# KiCad board unibone.kicad_pcb (continued)
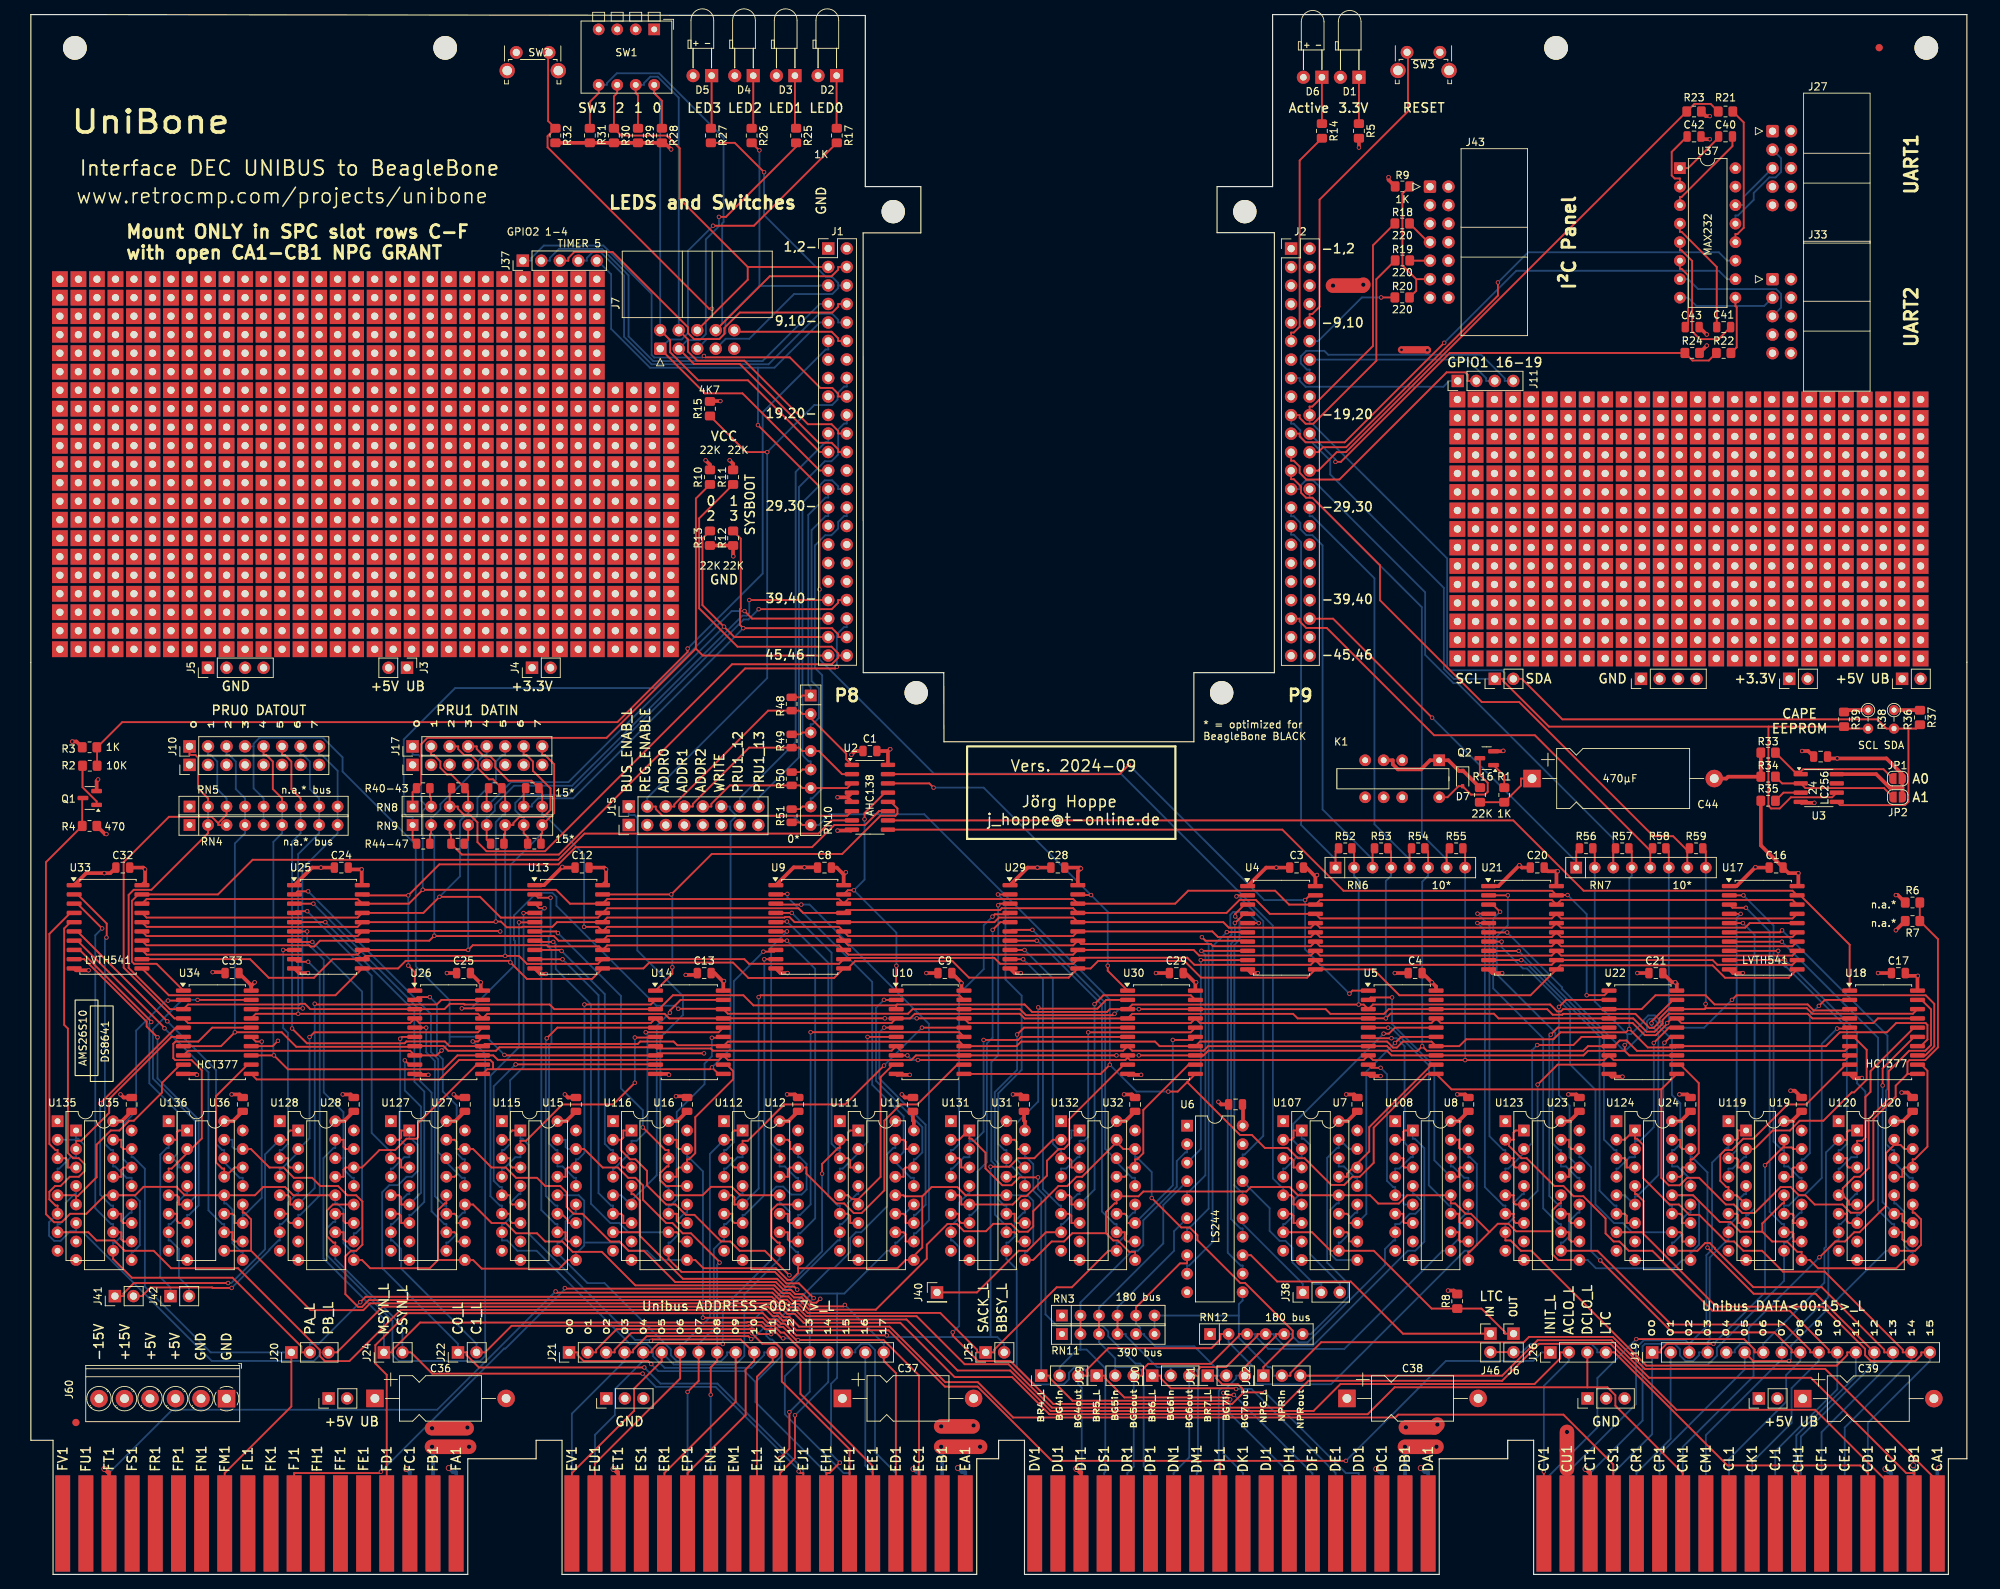
[diagram p0: board, top side]
## Routing (per net, layer and track width the routed paths; a pad name or vN(x,y) marks a point on that pad's centre or on a via; arc(x,y) is an arc through that point) (continued)
SYSRESET_L: length 43
  Top w0.25: J2.10 175.44,173.01 175.8,173.01 176.8,174.01 176.8,188.72 188.93,200.85 188.93,208.82 SW3.1
TIMER5: length 207
  Top w0.25: v1(108.2,135.21) 108.2,149.32 v1(99.75,157.76) ; U7.5 173.23,50.78 173.23,51.76 172.94,52.05 U107.5
  Bottom w0.25: 99.75,165.65 102.01,165.65 108.22,171.86 J1.9 ; 99.75,165.65 v1(99.75,157.76) ; 99.75,165.65 84.94,165.65 79.61,170.98 79.61,178.48 77.75,180.34 J37.5 ; U107.5 171.82,53.17 171.58,53.17 170.4,54.36 170.4,89.05 149.53,109.92 123.89,109.92 108.2,125.62 v1(108.2,135.21)
UART1_RXD: length 77.3
  Top w0.25: J2.26 176.61,151.52 179.15,154.06 180.42,154.06 R23.2 228.22,201.86 230.46,201.86 R21.2
UART1_TXD: length 71.3
  Top w0.25: J2.24 176.61,154.06 177.29,154.73 180.46,154.73 201.27,175.55 v1(201.27,177.34)
  Bottom w0.25: v1(201.27,177.34) 205.42,181.49 231.58,181.49 232.73,180.34 U37.11
UART2_RXD: length 64.6
  Top w0.25: R22.2 230.21,166.64 227.96,166.64 R24.2 194.67,167.67 179.72,152.73 v1(178.98,152.73)
  Bottom w0.25: J2.22 178.98,153.05 v1(178.98,152.73)
UART2_TXD: length 71.9
  Top w0.25: v1(193.9,169.06) 180.25,155.41 174.9,155.41 174.07,156.23 174.07,156.6 J2.21
  Bottom w0.25: U37.10 232.73,177.8 231.58,178.95 203.79,178.95 v1(193.9,169.06)
UB_5V: length 1403.4
  Top w0.5: U31.16 136.38,62.19 136.26,62.32 C30.2 ; R8.1 195.22,38.97 v1(194.42,38.97) ; C6.2 180.69,62.28 180.69,62.21 U107.16 ; C7.2 196.05,62.4 196.05,62.21 U108.16 ; U5.20 192.79,80.69 v1(192.2,81.28) 190.93,82.55 C4.2 ; C35.2 27.78,62.28 27.78,62.21 U136.16 ; U120.16 256.89,62.21 256.89,62.28 C19.2 ; U26.20 61.72,80.39 v1(61.72,81.28) 61.58,81.28 C25.2 ; C9.2 127.67,81.23 v1(127.67,81.18) 127.67,80.48 U10.20 ; v1(30.7,81.28) 30.26,80.84 ; 30.26,80.84 30.23,80.8 U34.20 ; 30.26,80.84 C33.2 ; U132.16 150.21,62.21 150.21,62.28 C31.2 ; U22.20 225.81,81.07 v1(225.6,81.28) 225.16,81.28 C21.2 ; U115.16 73.5,62.21 73.5,62.28 C14.2 ; R16.2 196.51,110.3 D7.1 195.93,110.3 194.47,111.76 K1.1 191.97,111.76 190.72,110.51 187.55,110.51 186.85,111.21 186.85,111.76 K1.4 ; 258.83,82.17 U18.20 ; 258.83,82.17 v1(258.88,82.17) ; 258.83,82.17 257.54,82.17 C17.2 ; C23.2 226.41,62.28 226.41,62.21 U124.16 ; v1(10.37,101.63) 10.16,101.63 R4.1 ; C13.2 93.81,82.55 95,81.36 ; C10.2 121.02,62.32 121.14,62.19 U11.16 ; C34.2 12.54,62.28 12.54,62.21 U135.16 ; v1(159.87,81.28) 159.77,81.18 ; 159.77,81.18 U30.20 ; 159.77,81.18 158.4,82.55 C29.2 ; C22.2 211.17,62.28 211.17,62.21 U123.16 ; C15.2 88.74,62.28 88.74,62.21 U116.16 ; U128.16 43.02,62.21 43.02,62.28 C27.2 ; U119.16 241.77,62.21 241.77,62.4 C18.2 ; v1(95.1,81.46) 95,81.36 ; 95,81.36 U14.20 ; U112.16 103.98,62.21 103.98,62.28 C11.2 ; C5.2 166.3,64.44 166.3,61.66 ; C26.2 58.26,62.28 58.26,62.21 U127.16
  Top w1.5: 166.3,61.66 U6.20
  In2.Cu w0.25: J62.1 237.07,24.29
  In2.Cu w0.4: U36.16 31.54,63.41 40.57,63.41 41.77,62.21 43.04,62.21 U28.16 46.78,63.41 55.81,63.41 57.01,62.21 58.28,62.21 U27.16 62.02,63.41 71.05,63.41 U115.16 72.25,62.21 73.52,62.21 U15.16 77.26,63.41 86.29,63.41 87.49,62.21 88.76,62.21 U16.16 92.5,63.41 101.53,63.41 102.73,62.21 104,62.21 U12.16 107.74,63.41 117.4,63.41 118.6,62.21 119.87,62.21 U11.16 123.61,63.41 132.64,63.41 133.84,62.21 135.11,62.21 U31.16 138.85,63.41 147.75,63.41 148.95,62.21 150.22,62.21 U32.16 153.36,62.8 165.05,62.8 U6.20 168.06,63.41 178.23,63.41 179.43,62.21 180.7,62.21 U7.16 184.44,63.41 193.6,63.41 194.8,62.21 195.94,62.21 U8.16 199.68,63.41 208.71,63.41 209.91,62.21 211.18,62.21 U23.16 214.92,63.41 223.95,63.41 225.15,62.21 226.42,62.21 U24.16 230.16,63.41 239.32,63.41 240.52,62.21 241.66,62.21 U19.16 245.4,63.41 254.43,63.41 255.63,62.21 256.9,62.21 U20.16 263.09,60.94 263.73,61.57 ; U36.16 31.61,58.4 31.61,27.34 ; U36.16 27.8,62.21 26.53,62.21 25.33,63.41 16.3,63.41 U35.16 12.56,62.21 11.29,62.21 U135.16 11.29,79.51 12.62,80.85 ; v1(194.42,38.97) 191.52,38.97 183.06,30.51 180.83,30.58 ; 180.7,30.58 C38.1 ; 180.7,30.58 180.83,30.58 ; 180.7,30.58 180.7,30.59 180.83,30.58 ; 180.7,30.58 164.2,30.58 RN12.1 159.24,30.46 140.83,30.46 138.29,33 ; 138.29,33 127.24,33 127.18,22.22 ; 138.29,33 140.83,35.54 RN3.1
  In2.Cu w0.5: U119.16 240.52,62.21 ; C39.1 243.08,24.15 ; 47.2,24.14 C36.1 ; 225.89,80.77 225.6,81.06 v1(225.6,81.28) ; U15.16 76.04,60.94 76.04,62.16 76.02,62.17 ; U111.16 118.6,62.21 ; 133.84,62.21 U131.16 ; 45.93,24.14 45.93,25.39 45.93,25.4 ; 58.91,61.57 U27.16 ; U127.16 57.01,62.21 ; 87.49,62.21 U116.16 ; U108.16 194.8,62.21 ; 256.23,24.14 256.71,24.14 256.72,24.13 ; U128.16 41.77,62.21 ; U136.16 26.53,62.21 ; 148.96,62.21 U132.16 ; U107.16 179.44,62.21 ; v1(159.87,81.28) 159.87,80.87 ; 10.47,101.58 10.42,101.63 v1(10.37,101.63) ; U120.16 255.64,62.21 ; J62.2 239.61,24.16 ; RN12.1 161.78,33 ; U112.16 102.73,62.21 ; U124.16 225.16,62.21 ; U123.16 209.92,62.21
  In2.Cu w1: 194.49,202.56 J43.2
  In2.Cu w1.5: v2(190.68,14.6) 190.68,23.37 190.55,23.5 C38.1 ; J43.4 J43.2 J43.1 J43.3 ; 95.1,81.1 122.16,81.1 124.49,78.78 124.52,78.64 v1(127.67,81.18) 127.86,80.85 159.87,80.87 162.16,80.87 192.02,81.1 v1(192.2,81.28) 200.98,81.28 201.49,80.77 257.48,80.77 v1(258.88,82.17) 259.26,82.55 262.33,79.48 ; 95.1,81.1 v1(95.1,81.46) ; 95.1,81.1 94.85,80.85 61.29,80.85 ; J60.4 J60.3 23.07,27.34 44.66,27.34 45.93,26.63 45.93,24.16 ; 256.72,24.13 v2(261.8,14.6) ; 57.33,23.75 60.46,23.75 63.02,26.31 109.19,26.31 C37.1 127.18,22.22 v2(127.18,14.6) ; 57.33,23.75 49.41,24.13 47.2,24.14 45.93,24.14 J61.1 43.39,24.16 ; 57.33,23.75 v2(57.33,14.6) ; 262.33,122.94 J35.2 J35.1 ; 262.33,122.94 262.33,202.1 261.45,202.98 194.49,202.56 ; 262.33,122.94 262.33,79.48 ; 237.1,24.13 J62.1 239.61,24.16 243.08,24.15 256.21,24.13 256.23,24.14 264.02,30.08 264.02,77.79 262.33,79.48 ; J3.1 J3.2 41.33,116.72 17.96,116.71 10.87,102.4 10.47,101.58 8.51,97.6 8.51,85.02 12.62,80.85 30.33,80.85 ; 180.44,101.53 180.52,101.6 ; 61.29,80.85 v1(61.72,81.28) ; 61.29,80.85 61.19,80.85 ; 61.29,80.85 61.19,80.85 ; 30.33,80.85 61.19,80.85 ; 30.33,80.85 30.33,80.91 v1(30.7,81.28) ; v1(225.6,81.28) 225.35,81.53
  In2.Cu w2: 162.16,80.87 162.16,101.53 180.44,101.53 ; J43.3 J43.4 ; K1.4 K1.9 185.6,104.39 182.8,101.6 180.52,101.6
  Bottom w0.5: 128.2,12.83 128.2,14.04 127.74,14.04 v2(127.18,14.6) ; J16.DA2 191.7,14.04 191.24,14.04 v2(190.68,14.6) ; v2(261.8,14.6) 261.55,14.36 J16.CA2 ; v2(57.33,14.6) 57.89,14.04 58.35,14.04 J16.FA2
UB_15V: length 217.3
  Top w0.5: 210.74,17.02 210.75,17.01 J16.CU1
  Top w1.5: 129.21,20.32 v2(129.34,20.45) ; 59.79,20.07 v2(59.89,20.17)
  Top w2: v2(55.04,20.07) 59.79,20.07 ; v2(124.89,20.32) 129.21,20.32 ; v2(210.74,19.56) 210.74,14.48 ; v2(192.96,20.57) 192.58,20.19 v2(188.65,20.19)
  In2.Cu w0.5: v2(210.74,19.56) 210.74,19.81
  In2.Cu w2: v2(59.89,20.17) 64.82,20.19 67.9,22.38 75.4,22.38 77.14,20.32 v2(124.89,20.32) ; v2(188.65,20.19) 141.15,20.19 139.37,22.73 132,22.73 v2(129.34,20.45) ; v2(55.04,20.07) 15.42,20.07 J60.5 ; v2(192.96,20.57) 198.81,20.57 201.6,23.37 208.71,23.37 210.74,21.34 210.74,19.81
UB_-15V: length 278.4
  Top w2: v2(55.04,17.53) v2(60.12,17.53) ; v2(124.89,17.53) v2(130.23,17.53) ; v2(188.52,17.53) v2(192.84,17.53)
  In2.Cu w0.5: v2(188.52,17.53) 188.39,17.53 ; 208.08,16.76 207.96,16.76 ; 13.64,17.53 13.39,17.78
  In2.Cu w1.5: 66.6,17.53 66.73,17.53
  In2.Cu w2: v2(130.23,17.53) 132.38,20.07 137.72,20.19 139.5,17.4 188.39,17.53 ; v2(60.12,17.53) 66.6,17.53 ; J60.6 13.39,17.78 ; 207.96,16.76 207.82,19.95 202.19,19.95 199.25,17.5 v2(192.84,17.53) 192.76,17.53 ; v2(258.24,14.99) 256.46,16.76 208.08,16.76 ; 13.64,17.53 v2(55.04,17.53) ; 66.73,17.53 68.88,19.81 73.95,19.81 75.87,17.53 v2(124.89,17.53)
  Bottom w0.5: v2(55.04,17.53) 55.17,17.39 J16.FB2 ; v2(258.24,14.99) 258.37,14.85 J16.CB2 ; v2(188.52,17.53) 188.52,17.52 J16.DB2 ; v2(124.89,17.53) 125.02,17.39 J16.EB2
UB_A00_L: length 92.7
  Top w0.25: U11.15 120.02,58.4 120.02,59.38 119.73,59.67 U111.15 ; v1(85.11,28.88) 84.68,29.3 75.82,29.3 75.01,30.11 75.01,30.48 J21.1
  Bottom w0.25: J16.EH2 109.15,13.92 99.4,23.67 99.4,26.42 ; 99.4,26.42 97.91,27.91 86.08,27.91 v1(85.11,28.88) ; 99.4,26.42 102.98,30 102.98,30.97 101.72,32.24 101.42,32.24 100.91,32.75 100.91,33.32 109.63,42.03 110.19,42.03 112.4,44.24 112.4,46.17 113.2,46.97 113.91,46.97 117.48,50.54 117.48,57.7 118.32,58.54 118.6,58.54 U111.15
UB_A01_L: length 83.9
  Top w0.25: v1(110.99,15.34) 109.56,13.92 109.15,13.92 J16.EH1 ; v1(101.56,33) 99.91,33 99.17,33.73 98.65,33.73 98.58,33.66 80.37,33.66 77.55,30.85 77.55,30.48 J21.2
  Bottom w0.25: 110.61,38.56 111.6,38.56 117.48,44.43 U111.9 118.6,45.55 118.84,45.55 120.02,46.74 120.02,49.65 U11.12 ; 110.61,38.56 110.61,26.99 109.79,26.16 109.79,16.54 v1(110.99,15.34) ; 110.61,38.56 107.12,38.56 v1(101.56,33)
UB_A02_L: length 83.6
  Top w0.25: J16.EF1 112.32,17.18 103.03,26.48 103.03,30.89 102.25,31.67 100.34,31.67 v1(98.91,33.11) 98.86,33.16 82.41,33.16 80.09,30.85 80.09,30.48 J21.3 ; v1(108.55,55.02) 108.55,56.35 110.75,58.54 110.98,58.54 U111.2 112.11,59.67 112.11,60.65 112.4,60.94 U11.1
  Bottom w0.25: v1(98.91,33.11) 98.91,34.7 108.55,44.34 v1(108.55,55.02)
UB_A03_L: length 67
  Top w0.25: J21.4 82.63,30.48 82.63,30.85 84.49,32.71 98.43,32.71 v1(98.83,32.31)
  Bottom w0.25: J16.EV2 74.22,22.07 81.46,29.3 J21.4 ; v1(98.83,32.31) 99.03,32.31 102.78,36.06 102.78,37.92 110.7,45.84 110.98,45.84 U111.7 110.98,48.09 111.26,48.09 112.11,48.94 112.11,51.01 113.29,52.19 113.52,52.19 U11.4
UB_A04_L: length 71.4
  Top w0.25: U12.15 104.14,58.4 104.14,59.38 103.85,59.67 U112.15 ; v1(94.93,31.63) 94.88,31.68 86.06,31.68 85.17,30.79 85.17,30.48 J21.5
  Bottom w0.25: U12.15 105.27,57.27 105.5,57.27 106.43,56.34 106.43,52.83 105.74,52.14 104.31,52.14 103.22,53.23 102.27,53.23 101.56,52.52 101.56,43.18 94.93,36.55 v1(94.93,31.63) ; 77.4,12.83 77.4,19.16 80.13,21.89 80.13,25.44 84,29.3 J21.5
UB_A05_L: length 61.9
  Top w0.25: J16.EV1 74.22,13.92 82.76,22.46 82.76,25.51 86.54,29.29 J21.6 ; U12.12 102.4,50.78 101.59,49.97 101.59,46.41 102.45,45.55 102.73,45.55 U112.9
  Bottom w0.25: U112.9 102.73,43.3 97.89,38.46 97.89,30.01 96.7,28.83 88.19,28.83 J21.6
UB_A06_L: length 58.1
  Top w0.25: J21.7 89.08,26.9 77.4,15.22 77.4,12.83 ; U112.2 96.23,59.67 96.23,60.65 96.52,60.94 U12.1
  Bottom w0.25: U112.2 93.16,57.72 93.16,35.3 89.52,31.66 89.08,31.66 J21.7
UB_A07_L: length 44.1
  Top w0.25: v1(90.1,25.06) 91.62,26.58 J21.8
  Bottom w0.25: 90.1,12.83 v1(90.1,25.06) ; J21.8 91.62,31.66 93.69,33.73 93.69,44.66 94.87,45.84 95.11,45.84 U112.7 95.11,48.09 95.39,48.09 96.23,48.94 96.23,51.01 97.41,52.19 97.65,52.19 U12.4
UB_A08_L: length 61.5
  Top w0.25: v1(94.48,42.81) 94.48,42.91 90.56,46.82 89.43,46.82 88.02,48.24 87.16,48.24 83.98,51.42 83.98,53.4 82.93,54.44 81.95,54.44 80.54,55.86 78.45,55.86 75.91,58.4 U15.15 ; J21.9 94.16,29.3 93.27,28.42 v1(93.27,24.67)
  Bottom w0.25: J16.EN2 v1(93.27,24.67) ; U15.15 73.66,58.4 73.37,58.69 73.37,59.67 U115.15 ; J21.9 94.16,42.49 v1(94.48,42.81)
UB_A09_L: length 61.5
  Top w0.25: J21.10 96.7,23.69 86.92,13.92 J16.ER1
  Bottom w0.25: U15.12 74.79,49.65 74.55,49.65 73.37,48.47 73.37,46.4 72.53,45.55 72.25,45.55 U115.9 72.25,44.11 76.36,39.99 78.7,39.99 87.81,30.88 87.81,30.08 88.61,29.28 94.69,29.28 95.52,30.11 95.52,30.48 J21.10
UB_A10_L: length 77.7
  Top w0.25: 90.1,12.83 90.1,13.92 98.06,21.88 98.06,28.13 99.24,29.3 99.24,30.41 ; 99.24,30.41 97.39,32.25 85.27,32.25 v1(85.08,32.06) ; 99.24,30.41 J21.11 ; U15.1 66.04,60.94 65.75,60.65 65.75,59.67 U115.2
  Bottom w0.25: v1(85.08,32.06) 84.95,32.19 82.89,32.19 68.29,46.79 68.29,58.97 67.45,59.81 67.17,59.81 U15.1
UB_A11_L: length 73.3
  Top w0.25: J21.12 101.78,29.3 99.62,27.15 J16.EL1
  Bottom w0.25: U15.4 67.17,52.19 66.93,52.19 65.75,51.01 65.75,48.94 64.91,48.09 64.63,48.09 U115.7 64.63,45.84 65.35,45.84 66.76,44.43 69.39,44.43 82.16,31.66 84.49,31.66 85.36,30.79 85.36,29.95 86.95,28.36 98.85,28.36 100.6,30.11 100.6,30.48 J21.12
UB_A12_L: length 77.6
  Top w0.25: J16.EC1 121.85,27.31 116.99,32.17 v1(105.24,32.17) 105,32.17 103.21,33.97 102.74,33.97 102.16,34.55 101.1,34.55 100.42,35.23 v1(92.2,35.23) ; U16.15 88.9,58.4 88.61,58.69 88.61,59.67 U116.15
  In1.Cu w0.25: J21.13 104.32,31.66 104.72,31.66 v1(105.24,32.17)
  Bottom w0.25: U16.15 90.03,57.27 90.26,57.27 92.2,55.33 v1(92.2,35.23)
UB_A13_L: length 58
  Top w0.25: v1(102.8,15.99) 104.07,17.26 v1(104.07,22.28) ; U116.9 87.49,43.3 89.27,41.53 102.08,41.53 103.65,39.96 105.37,39.96 v1(107.39,37.93)
  Bottom w0.25: v1(104.07,22.28) 106.86,25.07 J21.14 106.86,37.39 v1(107.39,37.93) ; U16.12 90.03,49.65 89.75,49.65 88.9,48.81 88.9,46.74 87.72,45.55 87.49,45.55 U116.9 ; 102.8,12.83 v1(102.8,15.99)
UB_A14_L: length 69.6
  Top w0.25: v1(104.07,41.06) 100.7,44.43 97.24,44.43 95.97,45.7 94.7,45.7 91.03,49.36 89.85,49.36 88.43,50.78 87.16,50.78 84.54,53.41 84.54,55.4 82.95,56.98 82.2,56.98 80.99,58.19 80.99,59.67 ; v1(104.83,21.85) 104.83,15.95 102.8,13.92 102.8,12.83 ; 80.99,59.67 81.28,59.96 81.28,60.94 U16.1 ; 80.99,59.67 U116.2
  In2.Cu w0.25: J21.15 109.4,31.66 104.07,36.99 v1(104.07,41.06)
  Bottom w0.25: v1(104.83,21.85) 109.36,26.38 109.36,26.38 109.4,26.42 J21.15
UB_A15_L: length 71.3
  Top w0.25: 83.53,46.97 83.53,51.34 82.68,52.19 82.41,52.19 U16.4 ; 83.53,46.97 U116.7 ; 83.53,46.97 83.53,46.51 89.46,40.58 102.39,40.58 103.47,39.51 104.73,39.51 v1(105.14,39.1)
  In1.Cu w0.25: J21.16 111.94,31.66 105.14,38.45 v1(105.14,39.1)
  Bottom w0.25: J21.16 113.11,30.48 113.11,30.85 113.93,31.67 114.95,31.67 115.81,30.81 115.81,16.78 118.67,13.92 J16.ED2
UB_A16_L: length 90.5
  Top w0.25: U127.15 58.13,59.67 58.42,59.38 58.42,58.4 U27.15 60.67,58.4 63.21,55.86 65.16,55.86 66.57,54.44 69.44,54.44 70.57,53.32 72.65,53.32 73.52,52.45 73.52,50.44 74.45,49.51 75.67,49.51 79.48,45.7 80.73,45.7 82,44.43 84.1,44.43 88.4,40.13 102.2,40.13 103.28,39.06 104.3,39.06 104.88,38.47 105.91,38.47 107.08,37.3 107.77,37.3 v1(108.3,37.83)
  In1.Cu w0.25: v1(108.3,37.83) 114.48,31.66 J21.17
  Bottom w0.25: 115.5,12.83 115.5,13.92 114.48,14.94 J21.17
UB_A17_L: length 92.8
  Top w0.25: v1(111.68,36.99) 111.49,36.8 106.95,36.8 105.73,38.02 104.7,38.02 104.11,38.6 103.09,38.6 102.02,39.68 82.93,39.68 78.33,44.28 74.33,44.28 72.92,45.7 70.57,45.7 69.44,46.82 66.57,46.82 65.16,48.24 63.21,48.24 60.67,50.78 U27.12 ; J16.ED1 118.67,27.65 117.02,29.3 J21.18
  Bottom w0.25: J21.18 117.02,31.66 v1(111.68,36.99) ; U127.9 57.01,45.55 57.24,45.55 58.42,46.74 58.42,48.81 59.27,49.65 59.55,49.65 U27.12
UB_ACLO_L: length 235.3
  Top w0.25: J26.2 209.82,30.48 209.82,29.67 206.29,26.14 179.67,26.14 175.98,22.44 139.91,22.44 134.36,27.99 127.15,27.99 120.14,35 106.2,35 104.98,36.22 103.95,36.22 103.37,36.8 102.35,36.8 101.49,37.66 46.36,37.66 45.43,36.73 44.9,36.73 43.15,38.48 43.15,43.67 43.91,44.43 44.64,44.43 45.48,45.27 45.48,51.19 44.63,52.05 43.42,52.05 42.15,53.32 39.72,53.32 38.59,54.44 36.09,54.44 34.68,55.86 32.73,55.86 30.19,58.4 U36.15 ; v1(207.57,14.12) J16.CV1
  Bottom w0.25: U36.15 27.94,58.4 27.65,58.69 27.65,59.67 U136.15 ; J26.2 211,29.3 207.57,25.88 v1(207.57,14.12)
UB_BBSY_L: length 148.5
  Top w0.25: U132.2 140.21,59.67 137.67,57.13 135.44,57.13 134.27,55.96 v1(131.67,55.96) ; v1(117.43,32.81) 105.01,32.81 103.41,34.42 102.93,34.42 102.35,35 101.28,35 100.43,35.86 51.66,35.86 47.26,31.47 47.26,28.96 48.82,27.4 J16.FD1
  Bottom w0.25: U32.1 142.75,60.94 142.75,59.96 142.46,59.67 U132.2 ; 131.67,32.59 117.65,32.59 v1(117.43,32.81) ; 131.67,32.59 132.6,32.59 133.53,31.66 J25.2 ; 131.67,32.59 v1(131.67,55.96)
UB_BR4_L: length 78
  Top w0.25: U31.15 135.26,58.4 135.26,59.38 134.97,59.67 U131.15 ; J28.1 139.78,27.28 139.78,26.97 142.91,23.85 164.36,23.85 v1(164.54,24.02)
  Bottom w0.25: v1(164.54,24.02) 164.54,22.03 172.65,13.92 J16.DH2 ; U31.15 136.38,57.27 136.58,57.27 137.52,56.34 137.52,52.69 138.61,51.6 J28.1
UB_BR5_L: length 75.1
  Top w0.25: v1(165.04,24.65) 164.28,24.65 163.93,24.3 150.02,24.3 147.4,26.92 147.4,27.28 J29.1
  Bottom w0.25: J29.1 145.05,27.28 145.05,27.65 144.24,28.46 143.2,28.46 142.42,27.68 142.42,26.8 141.71,26.08 137.65,26.08 135.26,28.47 135.26,41.89 133.84,43.3 U131.9 133.84,45.55 134.12,45.55 134.97,46.4 134.97,48.47 136.15,49.65 136.38,49.65 U31.12 ; J16.DF2 175.82,13.92 175.77,13.92 v1(165.04,24.65)
UB_BR6_L: length 87.5
  Top w0.25: J30.1 155.02,27.28 155.02,26.92 156.39,25.55 165.26,25.55 v1(165.35,25.46) ; U31.1 128.76,60.38 ; 128.76,60.38 128.05,60.38 127.35,59.67 U131.2 ; 128.76,60.38 128.76,59.81 129.04,59.81 130.97,57.89 130.97,55.73 133.28,53.42 134.54,53.42 135.63,54.51 v1(138.17,54.51)
  Bottom w0.25: v1(138.17,54.51) 138.17,52.92 139.2,51.89 139.2,35.7 140.78,34.12 147.02,34.12 147.81,33.33 147.81,32.67 151.54,28.94 152.19,28.94 J30.1 ; J16.DE2 179,13.92 167.46,25.46 v1(165.35,25.46)
UB_BR7_L: length 95.1
  Top w0.25: v1(126.48,33.23) 126.48,32.77 129.95,29.3 134.37,29.3 140.28,23.4 164.8,23.4 166.17,24.77 166.17,24.99 ; 166.17,24.99 v1(169.33,24.99) ; 166.17,24.99 166.17,25.53 165.59,26.11 163.45,26.11 162.64,26.92 162.64,27.28 J31.1
  Bottom w0.25: U31.4 128.76,52.19 128.53,52.19 127.35,51.01 127.35,48.94 126.5,48.09 126.22,48.09 U131.7 126.22,45.84 126.46,45.84 127.36,44.94 127.36,34.11 v1(126.48,33.23) ; J16.DD2 182.17,13.92 180.4,13.92 v1(169.33,24.99)
UB_C0_L: length 98
  Top w0.25: U27.1 50.8,60.94 50.8,59.96 50.51,59.67 U127.2 ; J22.1 59.77,30.48 59.77,30.11 61.48,28.41 v1(84.16,28.41)
  Bottom w0.25: J16.EJ2 105.97,14.42 94.2,26.2 86.37,26.2 v1(84.16,28.41) ; U27.1 51.93,59.81 52.21,59.81 53.05,58.97 53.05,55.36 52.28,54.59 51.55,54.59 50.39,53.43 49.18,53.43 48.2,52.46 48.2,42.05 58.6,31.66 J22.1
UB_C1_L: length 99.6
  Top w0.25: J22.2 62.31,30.48 65.96,34.13 98.41,34.13 98.47,34.18 100.19,34.18 100.72,33.65 101.79,33.65 103.03,32.41 v1(103.22,32.41)
  Bottom w0.25: J16.EF2 112.32,13.92 111.51,13.92 103.44,21.99 103.44,27.21 105.53,29.3 105.53,30.93 104.05,32.41 v1(103.22,32.41) ; J22.2 61.14,31.66 50.8,41.99 50.8,44.66 49.62,45.84 49.39,45.84 U127.7 49.39,48.09 49.62,48.09 50.8,49.28 50.8,51.35 51.65,52.19 51.93,52.19 U27.4
UB_D00_L: length 63.6
  Top w0.25: v1(230.84,31.66) 224.41,31.66 223.6,30.85 223.6,30.48 J19.1 ; U119.15 240.52,58.62 ; 240.52,58.62 240.36,58.62 v1(237.91,56.17) ; 240.52,58.62 241.59,58.62 241.81,58.4 U19.15
  Bottom w0.25: v1(230.84,31.66) 237.91,38.72 v1(237.91,56.17) ; J16.CS2 217.1,13.92 222.43,19.25 J19.1
UB_D01_L: length 52.3
  Bottom w0.25: 224.97,28.8 224.97,18.61 220.27,13.92 J16.CR2 ; 224.97,28.8 J19.2 ; 224.97,28.8 230.08,28.8 231.32,30.04 231.32,31.09 240.52,40.3 U119.9 240.52,45.55 240.8,45.55 241.65,46.4 241.65,48.6 242.7,49.65 242.94,49.65 U19.12
UB_D02_L: length 65.2
  Top w0.25: U19.1 234.19,60.94 234.19,59.83 234.03,59.67 U119.2
  Bottom w0.25: J16.CU2 210.75,13.92 220.22,23.39 220.22,31.09 221.26,32.13 227.03,32.13 227.51,31.66 ; J19.3 227.51,31.66 ; 227.51,31.66 229.87,34.02 229.87,43.83 230.65,44.6 230.65,56.52 232.67,58.54 232.9,58.54 U119.2
UB_D03_L: length 58.2
  Bottom w0.25: J16.CT2 213.92,13.92 221.12,21.12 221.12,31.33 221.44,31.66 225.5,31.66 226.24,30.92 226.24,30.07 227.01,29.3 228.06,29.3 228.87,30.11 228.87,30.48 J19.4 230.05,31.92 230.32,32.19 230.32,43.5 232.67,45.84 232.9,45.84 U119.7 232.9,48.09 233.14,48.09 234.19,49.15 234.19,51.35 235.03,52.19 235.32,52.19 U19.4
UB_D04_L: length 67.2
  Top w0.25: v1(245.38,43.54) 247.54,45.7 248.88,45.7 250.15,46.97 250.88,46.97 254.51,50.6 254.51,57.83 255.64,58.96 ; 255.64,58.96 U120.15 ; 255.64,58.96 256.49,58.96 257.05,58.4 U20.15
  Bottom w0.25: J19.5 233.76,30.48 233.76,30.85 234.58,31.67 235.68,31.67 ; 235.68,31.67 235.68,33.84 v1(245.38,43.54) ; 235.68,31.67 236.35,31 236.35,27.23 226.62,17.51 J16.CN2
UB_D05_L: length 61
  Top w0.25: U120.9 258.51,44.43 259.32,45.24 259.32,48.74 258.41,49.65 258.18,49.65 U20.12 ; J19.6 236.31,29.3 v1(241.21,29.3)
  Bottom w0.25: v1(241.21,29.3) 241.48,29.56 241.48,31.4 254.51,44.43 U120.9 ; J16.CP2 223.45,16.46 235.13,28.14 J19.6
UB_D06_L: length 80.2
  Top w0.25: v1(220.26,32.3) 235.04,32.3 236.49,30.85 236.49,30.48 J19.7 ; U120.2 249.14,59.67 249.14,60.65 249.43,60.94 U20.1
  Bottom w0.25: J16.CV2 214.91,20.17 214.91,26.96 v1(220.26,32.3) ; U120.2 246.28,57.93 246.28,44.97 246.06,44.76 246.06,40.04 237.67,31.66 J19.7
UB_D07_L: length 49.7
  Bottom w0.25: J16.CM2 229.8,19.12 239.99,29.3 240.21,29.3 J19.8 240.21,31.66 246.6,38.05 246.6,44.66 247.78,45.84 248.02,45.84 U120.7 248.02,48.09 248.3,48.09 249.14,48.94 249.14,51.01 250.32,52.19 250.56,52.19 U20.4
UB_D08_L: length 74.8
  Top w0.25: U123.15 211.04,59.67 211.04,58.69 211.33,58.4 U23.15 ; v1(215.31,43.1) 225.19,33.22 239.2,33.22 241.57,30.85 241.57,30.48 J19.9
  Bottom w0.25: J19.9 242.75,29.3 240.81,27.37 240.81,23.69 232.97,15.85 J16.CL2 ; v1(215.31,43.1) 214.06,44.36 214.06,55.91 212.69,57.27 212.46,57.27 U23.15
UB_D09_L: length 70.5
  Top w0.25: U123.9 214.92,44.43 225.04,34.31 240.61,34.31 244.11,30.8 244.11,30.48 J19.10
  Bottom w0.25: U23.12 212.46,49.65 212.22,49.65 211.04,48.47 211.04,46.4 210.2,45.55 209.92,45.55 U123.9 ; J16.CK2 236.15,15.4 241.56,20.81 241.56,25.57 245.29,29.3 J19.10
UB_D10_L: length 83.9
  Top w0.25: 202.79,59.67 202.79,58.84 204.49,57.13 205.22,57.13 209.03,53.32 210.26,53.32 211.66,51.91 212.99,51.91 216.04,48.87 216.04,46.81 217.15,45.7 217.94,45.7 219.21,44.43 222.46,44.43 230.68,36.2 241.29,36.2 246.65,30.85 246.65,30.48 J19.11 ; 202.79,59.67 203.42,59.67 203.42,60.65 203.71,60.94 U23.1 ; 202.79,59.67 U123.2
  Bottom w0.25: J19.11 247.83,25.41 239.32,16.91 J16.CJ2
UB_D11_L: length 86.1
  Top w0.25: J19.12 249.19,30.48 249.19,30.11 247.75,28.67 221.62,28.67 205.86,44.43 204.43,44.43 203.01,45.84 202.3,45.84 U123.7 ; v1(242.21,14.19) 242.48,13.92 242.5,13.92 J16.CH1
  Bottom w0.25: v1(242.21,14.19) 242.21,19.08 250.37,27.24 J19.12 ; U23.4 204.84,52.19 204.6,52.19 203.42,51.01 203.42,48.94 202.58,48.09 202.3,48.09 U123.7
UB_D12_L: length 69.1
  Top w0.25: U24.15 226.57,58.4 226.28,58.69 226.28,59.67 U124.15 ; v1(230.02,44.86) 236.35,38.53 244.86,38.53 J19.13
  Bottom w0.25: J19.13 252.91,28.99 242.84,18.92 242.84,13.17 J16.CH2 ; U24.15 227.7,57.27 227.93,57.27 230.02,55.18 v1(230.02,44.86)
UB_D13_L: length 66.6
  Top w0.25: U124.9 228.65,44.43 229.71,45.49 230.33,45.49 231.03,44.79 231.03,44.71 236.31,39.43 245.69,39.43 254.27,30.85 254.27,30.48 J19.14
  Bottom w0.25: U124.9 225.16,45.55 225.39,45.55 226.57,46.74 226.57,48.81 227.41,49.65 227.7,49.65 U24.12 ; J19.14 255.45,29.3 245.67,19.53 J16.CF2
UB_D14_L: length 78.3
  Top w0.25: U124.2 218.66,59.67 219.37,60.38 220.08,60.38 ; U24.1 220.08,60.38 ; 220.08,60.38 220.08,59.81 220.36,59.81 221.2,58.97 221.2,54.4 224.82,50.78 226.1,50.78 227.52,49.36 228.88,49.36 232.55,45.7 233.67,45.7 234.94,44.43 237.51,44.43 240.37,41.57 246.09,41.57 256.81,30.85 256.81,30.48 J19.15
  Bottom w0.25: J16.CE2 248.85,20.17 257.99,29.3 J19.15
UB_D15_L: length 79.8
  Top w0.25: 221.24,46.97 221.24,51.26 220.31,52.19 220.08,52.19 U24.4 ; 221.24,46.97 221.24,46.75 231.23,36.76 245.85,36.76 251.64,30.97 251.64,30.08 252.42,29.3 258.54,29.3 259.35,30.11 259.35,30.48 J19.16 ; 221.24,46.97 U124.7
  Bottom w0.25: J16.CD2 252.02,20.8 260.53,29.3 J19.16
UB_DCLO_L: length 230.3
  Top w0.25: 213.54,25.69 216.3,25.69 217.38,24.6 217.38,23.16 226.62,13.92 J16.CN1 ; 213.54,25.69 J26.3 ; 213.54,25.69 187.09,25.69 183.4,21.99 139.72,21.99 134.62,27.09 126.73,27.09 119.28,34.55 106.01,34.55 104.79,35.77 103.76,35.77 103.18,36.35 102.16,36.35 101.31,37.21 46.55,37.21 45.62,36.28 38.37,36.28 30.22,44.43 ; 30.22,44.43 U136.9 ; 30.22,44.43 30.22,48.74 29.3,49.65 29.07,49.65 U36.12
UB_INIT_L: length 240.7
  Top w0.25: J16.DL1 163.12,15.59 ; U135.7 7.89,46.97 9.01,45.84 11.47,45.84 12.88,44.43 16.85,44.43 19.24,42.03 28.42,42.03 39.64,30.81 39.64,29.99 40.35,29.28 43.7,29.28 50.73,36.31 100.93,36.31 101.79,35.45 102.53,35.45 103.12,34.87 103.69,34.87 105.04,33.51 117.68,33.51 125.41,25.78 129.88,25.78 140.07,15.59 163.12,15.59 ; 163.12,15.59 v1(180.42,15.59)
  Bottom w0.25: v1(180.42,15.59) 194.13,29.3 206.11,29.3 207.28,30.48 J26.1 ; U135.7 3.67,48.09 3.95,48.09 4.79,48.94 4.79,51.01 5.97,52.19 6.21,52.19 U35.4
UB_INTR_L: length 68.7
  Top w0.25: 26.6,12.83 26.6,13.92 35.74,23.06 J20.1 ; U35.15 12.7,58.4 12.41,58.69 12.41,59.67 U135.15
  Bottom w0.25: J20.1 24.67,30.48 15.64,39.51 15.64,55.69 14.06,57.27 13.83,57.27 U35.15
UB_LTC: length 60.9
  Top w0.25: J16.CD1 252.02,13.92 250.98,14.96 232.77,14.96 217.25,30.48 J26.4 ; J6.2 J46.2
  Bottom w0.25: J6.2 204.59,30.51 205.73,31.66 214.09,31.66 214.9,30.85 214.9,30.48 J26.4
UB_MSYN_L: length 119.9
  Top w0.25: U128.15 42.89,59.67 42.89,58.69 43.18,58.4 U28.15 ; 115.5,12.83 115.5,14.87 105.59,24.78 105.59,30.94 103.33,33.2 102.88,33.2 101.97,34.1 100.91,34.1 100.38,34.63 98.28,34.63 98.23,34.58 53.4,34.58 49.61,30.79 49.61,30.48 J24.1
  Bottom w0.25: J24.1 48.44,35.08 40.14,43.37 40.14,57.15 41.53,58.54 41.77,58.54 U128.15
UB_NPR_L: length 185.5
  Top w0.25: 148.96,59.33 144.22,54.59 143.47,54.59 142.2,53.32 140.98,53.32 137.52,49.87 137.52,47.79 136.78,47.05 135.56,47.05 134.48,48.13 132.05,48.13 131.04,47.11 128.02,47.11 127.02,48.11 125.75,48.11 122.92,45.27 122.92,43.34 115.93,36.35 106.76,36.35 105.54,37.57 104.51,37.57 103.92,38.15 102.91,38.15 101.83,39.23 73.34,39.23 v1(73.26,39.31) ; 148.96,59.33 U132.15 ; 148.96,59.33 149.88,58.4 U32.15 ; v1(48.03,14.11) 47.84,13.92 36.12,13.92 J16.FJ1 ; v1(153.77,51.68) 157.82,47.63 158.98,47.63 160.05,46.57 160.05,45.89 165.93,40.01 166.58,40.01 173.12,33.46 173.12,32.49 169.09,28.46 J32.1
  Bottom w0.25: U32.15 151.5,57.27 151.73,57.27 153.77,55.23 v1(153.77,51.68) ; v1(73.26,39.31) 73.26,39.17 65.1,31 64.92,31 v1(48.03,14.11)
UB_PA_L: length 280.1
  Top w0.25: v1(45.19,37.37) 45.93,38.11 101.68,38.11 102.53,37.25 103.55,37.25 104.14,36.67 105.17,36.67 106.39,35.45 121.52,35.45 128.11,28.85 134.13,28.85 140.09,22.89 171.59,22.89 175.28,26.59 201.84,26.59 206.91,31.66 216.71,31.66 225.76,22.6 244.79,22.6 254.57,12.83 J16.CC1 ; J20.2 37.1,30.48 37.1,31.29 27.66,40.73 13.86,40.73 11.29,43.3 U135.9
  Bottom w0.25: U35.12 13.83,49.65 13.59,49.65 12.41,48.47 12.41,46.4 11.57,45.55 11.29,45.55 U135.9 ; J20.2 38.28,31.66 39.47,31.66 v1(45.19,37.37)
UB_PB_L: length 249.3
  Top w0.25: J16.CS1 217.1,15.09 210.25,21.94 187.59,21.94 187.19,21.54 134.76,21.54 129.91,26.39 125.44,26.39 117.81,34.02 105.4,34.02 104.1,35.32 103.3,35.32 102.72,35.9 101.97,35.9 101.12,36.76 48.27,36.76 41.99,30.48 J20.3
  Bottom w0.25: 6.21,59.81 6.49,59.81 7.33,58.97 7.33,46.79 24.82,29.3 38.83,29.3 39.64,30.11 39.64,30.48 J20.3 ; 6.21,59.81 6.06,59.67 U135.2 ; 6.21,59.81 U35.1
UB_SACK_L: length 167
  Top w0.25: v1(71.99,38.86) 72.17,38.68 101.74,38.68 102.72,37.7 103.74,37.7 104.32,37.12 105.35,37.12 106.57,35.9 124.76,35.9 129.81,30.85 129.81,30.48 J25.1 132.16,30.48 132.16,30.85 140.73,39.41 142.81,39.41 147.83,44.43 U132.9
  Bottom w0.25: v1(71.99,38.86) 55.74,22.6 19.41,22.6 10.72,13.92 J16.FT2 ; U132.9 148.96,45.55 149.19,45.55 150.37,46.74 150.37,48.81 151.21,49.65 151.5,49.65 U32.12
UB_SSYN_L: length 91
  Top w0.25: J16.EJ1 105.97,13.92 105.56,13.92 v1(105.33,14.14) ; U28.12 41.44,50.78 40.63,49.97 40.63,46.41 41.49,45.55 41.77,45.55 U128.9 ; v1(83.93,27.56) 55.07,27.56 52.15,30.48 J24.2
  Bottom w0.25: J24.2 50.98,34.09 41.77,43.3 U128.9 ; v1(83.93,27.56) 85.75,25.75 93.94,25.75 105.33,14.35 v1(105.33,14.14)
Net-(C44-Pad1): length 9.1
  Top w0.25: R16.1 R1.1 204.43,108.28 204.43,109.25 C44.1
Net-(D1-K): length 6.4
  Top w0.25: D1.1 R5.1
Net-(D2-K): length 7.2
  Top w0.25: R17.1 110.54,198.55 D2.1
Net-(D3-K): length 7.3
  Top w0.25: D3.1 104.83,198.68 R25.1
Net-(D4-K): length 7.3
  Top w0.25: R26.1 99.11,198.73 D4.1
Net-(D5-K): length 7.3
  Top w0.25: R27.1 93.4,198.61 D5.1
Net-(D6-K): length 6.4
  Top w0.25: D6.1 R14.1
Net-(D7-A): length 13
  Top w0.25: K1.12 194.34,106.68 195.86,108.2 D7.2 197.58,107.05 199.49,107.05 199.87,107.43 199.87,108.67 198.79,109.74 Q2.3
Net-(J27-RXD): length 13.9
  Bottom w0.25: J27.3 240.11,194.4 240.11,192.51 239.37,191.77 238.51,191.77 236.36,189.63 236.36,188.7 234.21,186.55 233.86,186.55 U37.13
Net-(J27-TXD): length 7.8
  Bottom w0.25: U37.14 234.98,187.96 234.98,189.09 J27.5
Net-(J33-RXD): length 13.6
  Bottom w0.25: U37.8 227.36,175.26 228.5,174.12 237.8,174.12 J33.3
Net-(J33-TXD): length 18.3
  Bottom w0.25: U37.7 227.36,177.8 228.72,176.44 239.45,176.44 240.11,175.78 240.11,173.9 J33.5
Net-(J43-Pin_7): length 3.9
  Top w0.25: R18.2 191.71,182.88 J43.7
Net-(J43-Pin_9): length 2.8
  Top w0.25: R19.2 189.2,180.34 J43.9
Net-(J43-Pin_11): length 18.7
  Top w0.25: R9.1 188.17,189.53 188.17,179.69 190.07,177.8 ; R20.2 190.07,176.22 190.07,177.8 ; 190.07,177.8 J43.11
Net-(Q1-B): length 6.2
  Top w0.25: Q1.1 9.02,106.12 7.09,108.06 R2.1
Net-(Q2-B): length 3.7
  Top w0.25: R1.2 202.14,109.62 Q2.1
Net-(U3-A2): length 3.9
  Top w0.25: U3.3 240.45,107.31 R35.2
Net-(U4-A0): length 41.2
  Top w0.25: U4.2 165.55,93.22 v1(165.4,93.07)
  Bottom w0.25: U6.18 166.25,57.65 166.53,57.65 169.08,60.2 169.08,89.69 165.7,93.07 v1(165.4,93.07)
Net-(U4-A1): length 42.6
  Top w0.25: U4.3 166.5,91.95 165.23,90.67 v1(165.23,90.32)
  Bottom w0.25: v1(165.23,90.32) 165.82,89.73 165.82,87.12 165.11,86.41 165.11,53.42 165.97,52.57 166.25,52.57 U6.16
Net-(U4-A2): length 46.4
  Top w0.25: v1(165.18,89.43) 165.23,89.43 166.47,90.68 U4.4
  Bottom w0.25: v1(165.18,89.43) 165.18,87.12 164.66,86.6 164.66,48.79 165.97,47.49 166.25,47.49 U6.14
Net-(U4-A3): length 56.8
  Top w0.25: U4.5 166.93,89.41 v1(168.46,89.41)
  Bottom w0.25: U6.12 166.25,42.41 165.97,42.41 164.21,44.16 164.21,87.33 164.73,87.85 164.73,88.68 164.56,88.85 164.56,90.54 164.97,90.95 166.92,90.95 v1(168.46,89.41)
Net-(U4-A4): length 52.2
  Top w0.25: U4.6 166.9,88.17 v1(164.08,88.17)
  Bottom w0.25: v1(164.08,88.17) 162.12,86.21 162.12,45.61 158.91,42.41 158.63,42.41 U6.9
Net-(U4-A5): length 49.4
  Top w0.25: U4.7 166.81,86.99 161.15,86.99 v1(160.66,87.48)
  Bottom w0.25: U6.7 158.63,47.49 158.86,47.49 161.58,50.21 161.58,86.55 v1(160.66,87.48)
Net-(U4-A6): length 41.9
  Top w0.25: U4.8 v1(160.6,85.6)
  Bottom w0.25: v1(160.6,85.6) 161.13,85.06 161.13,54.79 158.91,52.57 158.63,52.57 U6.5
Net-(U4-A7): length 35
  Top w0.25: v1(160.51,84.32) 166.93,84.32 U4.9
  Bottom w0.25: U6.3 160.51,58.4 v1(160.51,84.32)
Net-(U37-C1+): length 7.2
  Top w0.25: C40.1 231.55,197.22 227.36,193.04 U37.1
Net-(U37-C1-): length 12.6
  Top w0.25: C40.2 233.45,196.06 226.47,189.09 226.24,189.09 U37.3
Net-(U37-C2+): length 16.4
  Top w0.25: C41.1 231.29,179.47 226.47,184.29 226.24,184.29 U37.4
Net-(U37-C2-): length 19.5
  Top w0.25: C41.2 231.53,169.57 228.99,169.57 227.91,170.65 227.91,180.32 226.47,181.75 226.24,181.75 U37.5
Net-(U37-R1OUT): length 19.2
  Top w0.25: R21.1 234.99,199.32 234.99,184.86 234.14,184.01 233.86,184.01 U37.12
Net-(U37-R2OUT): length 8
  Top w0.25: U37.9 233.86,174.13 234.03,173.96 234.03,168.46 R22.1
Net-(U37-VS+): length 8.6
  Top w0.25: C42.2 225.11,195.27 225.11,192.04 225.52,191.63 226.24,191.63 U37.2
Net-(U37-VS-): length 9.9
  Top w0.25: C43.2 227.37,171.62 227.37,178.32 226.47,179.21 226.24,179.21 U37.6

## Copper pours and planes (outline as drawn; the poured copper is in the pictures)
+3.3V on In2.Cu: -3.63,215.9 271.96,215.9 271.96,73.66 -3.63,76.2
GND on In1.Cu: -8.71,217.17 268.15,217.17 268.15,-12.7 -8.71,-12.7
UB_5V on In2.Cu: 0.18,82.55 268.15,82.55 268.15,-3.81 0.18,-3.81

## Text on the board
B.Silkscreen: 2,1- | 10,9- | 20,19- | 30,29- | 40,39- | 46,45- | -20,19 | -30,29 | -40,39 | -46,45 | -10,9 | -2,1 | P9 | P8
User.Comments: (QUAD HGT) | (DOUBLE HGT)
F.Silkscreen: + - | BR4_L / BG4in / BG4out / BR5_L / BG5in / BG5out / BR6_L / BG6in / BG6out / BR7_L / BG7in / BG7out / NPG_L / NPRin / NPRout | * = optimized for / BeagleBone BLACK | LVTH541 | 1K | 470 | 10K | HCT377 | n.a.* bus | 15* | 4K7 | 22K | 0* | 180 bus | 390 bus | 220 | 10* | 470µF | SCL | n.a.* | SDA | GPIO2 1-4 / TIMER 5 | R40-43 | R44-47 | AMS26S10 | DS8641 | AHC138 | LS244 | MAX232 | 24 / LC256 | IN / OUT | 00 / 01 / 02 / 03 / 04 / 05 / 06 / 07 / 08 / 09 / 10 / 11 / 12 / 13 / 14 / 15 / 16 / 17 | 0 / 1 / 2 / 3 / 4 / 5 / 6 / 7 | 00 / 01 / 02 / 03 / 04 / 05 / 06 / 07 / 08 / 09 / 10 / 11 / 12 / 13 / 14 / 15 | Unibus ADDRESS<00:17>_L | 0  1 / 2  3 | -1,2 | -9,10 | -19,20 | -29,30 | -39,40 | -45,46 | Unibus DATA<00:15>_L | A0 | A1 | LTC | GND | PRU0 DATOUT | +5V UB | PRU1 DATIN | +3.3V | SW3 | 2 | 1 | 0 | LED3 | VCC | LED2 | LED1 | LED0 | Active | 3.3V | RESET | GPIO1 16-19 | CAPE / EEPROM | 45,46- | 19,20- | 29,30- | 39,40- | 1,2- | 9,10- | -15V | +15V | +5V | PA_L | PB_L | MSYN_L | SSYN_L | C0_L | C1_L | BUS_ENAB_L | REG_ENABLE | ADDR0 | ADDR1 | ADDR2 | WRITE | PRU1_12 | PRU1_13 | SACK_L | BBSY_L | INIT_L | ACLO_L | SYSBOOT | DCLO_L | Vers. 2024-09 / Jörg Hoppe / j_hoppe@t-online.de | P9 | P8 | Mount ONLY in SPC slot rows C-F / with open CA1-CB1 NPG GRANT | LEDS and Switches | I²C Panel | UART1 | UART2 | www.retrocmp.com/projects/unibone | Interface DEC UNIBUS to BeagleBone | UniBone
